# Allegro board buddy_lay_rev1.brd (continued)
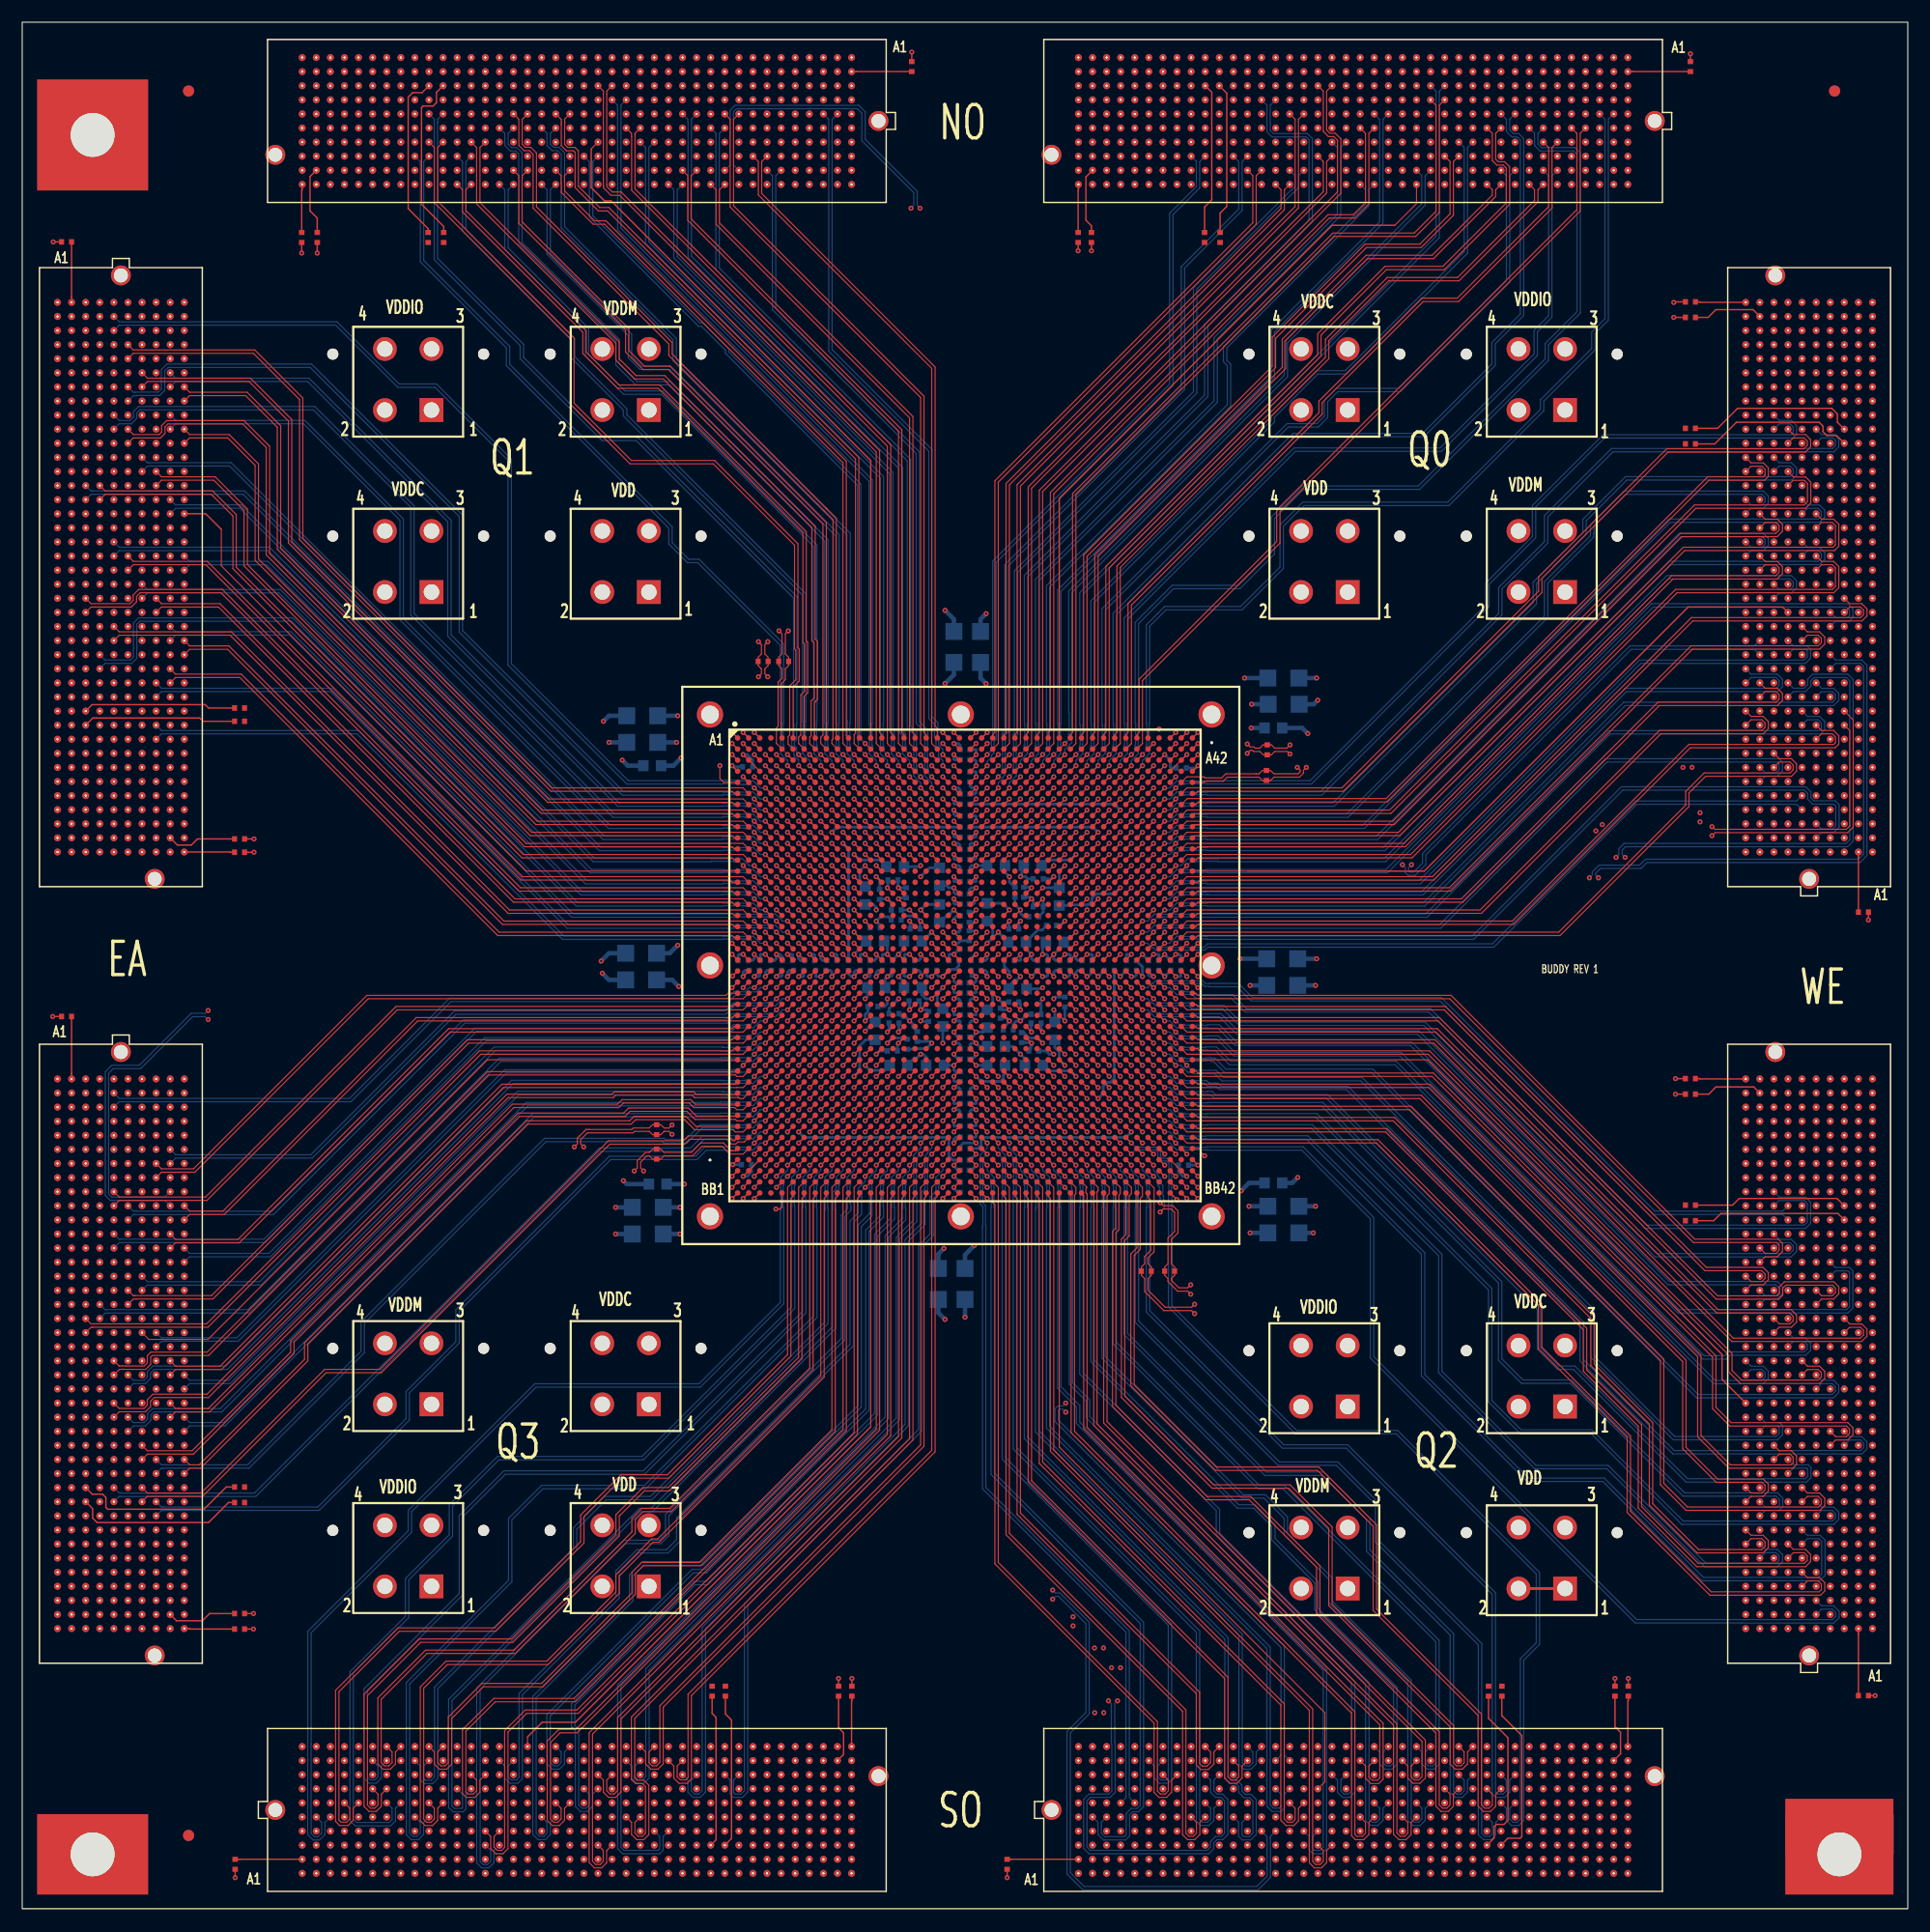
[diagram p0: board, top side]
## Routing (per net, layer and track width the routed paths; a pad name or vN(x,y) marks a point on that pad's centre or on a via; arc(x,y) is an arc through that point) (continued)
EA_N94: length 70.4
  TOP w0.102: U1.AJ2 65,77 41.35,77 16.75,52.4 6.35,52.4 6.21,52.4 5.72,51.91
EA_N95: length 70.6
  TOP w0.127: U1.AJ4 v1(67,77)
  BOTTOM w0.102: J7.D18 7.48,53.67 7.75,53.67 7.76,53.68 20.48,53.68 43.15,76.35 63.13,76.35 63.17,76.38 65.51,76.38 65.52,76.38 65.81,76.38 65.81,76.37 65.91,76.37 66.54,77 v1(67,77)
EA_N96: length 72.2
  TOP w0.127: U1.AJ6 v1(69,77)
  SIGNAL_L12 w0.081: v1(69,77) 68.55,77 68.18,76.63 68.1,76.63 67.81,76.34 67.23,76.34 67.2,76.37 62.7,76.37 62.66,76.34 44.85,76.34 22.18,53.67 10.64,53.67 10.32,53.35 10.32,52.86 9.84,52.37 9.73,52.37 9.72,52.37 9.35,52.37 9.34,52.37 8.72,52.37 J7.E19
EA_N97: length 76.4
  TOP w0.127: U1.AJ11 v1(74,77)
  SIGNAL_L3 w0.081: J7.F20 10,51.11 12.39,51.11 12.89,51.61 12.89,52.1 13.16,52.37 15.37,52.37 39.33,76.33 64.43,76.33 64.47,76.37 72.18,76.37 72.22,76.33 72.8,76.33 73.07,76.6 73.12,76.6 73.15,76.63 73.15,76.63 73.37,76.85 73.37,76.85 73.52,77 v1(74,77)
EA_N98: length 64.4
  TOP w0.102: U1.AK1 41.95,76.5 16.75,51.3 11.42,51.3 J7.G19
EA_N99: length 65.2
  TOP w0.127: U1.AK3 v1(66,76)
  BOTTOM w0.102: J7.H20 12.56,51.13 12.83,51.13 12.85,51.15 13.02,51.15 13.02,51.14 13.67,51.14 13.67,51.15 14.29,51.15 14.29,51.14 19.47,51.14 43.63,75.3 64.73,75.3 64.81,75.38 65.41,75.38 65.59,75.56 65.59,75.59 v1(66,76)
EA_N100: length 65.4
  TOP w0.127: U1.AK5 v1(68,76)
  SIGNAL_L12 w0.081: J7.J19 13.8,52.37 22.19,52.37 45.15,75.33 64.37,75.33 64.41,75.37 66.28,75.37 66.31,75.34 66.81,75.34 67.1,75.63 67.18,75.63 67.55,76 v1(68,76)
EA_N101: length 66.7
  TOP w0.127: U1.AK7 v1(70,76)
  SIGNAL_L3 w0.081: J7.K20 15.08,51.11 16.38,51.11 38.65,73.38 40.6,75.33 61.32,75.33 61.37,75.39 61.49,75.39 61.54,75.34 61.57,75.37 68.18,75.37 68.22,75.33 68.8,75.33 69.07,75.6 69.12,75.6 69.15,75.63 69.15,75.63 69.37,75.85 69.37,75.85 69.52,76 v1(70,76)
EA_N102: length 80.1
  TOP w0.127: U1.AK10 v1(73,76)
  SIGNAL_L10 w0.081: 5.72,46.83 6.19,47.3 15.57,47.3 43.6,75.33 64.57,75.33 64.61,75.37 70.73,75.37 70.88,75.52 71.8,75.52 71.88,75.6 72.12,75.6 72.52,76 v1(73,76)
EA_N103: length 79.8
  TOP w0.127: U1.AK12 v1(75,76)
  SIGNAL_L5 w0.081: J7.D21 7.46,49.84 18.69,49.84 44.19,75.34 64.52,75.34 64.56,75.37 73.26,75.37 73.29,75.41 73.51,75.41 73.54,75.37 74.37,75.37 v1(75,76)
EA_N104: length 69.1
  TOP w0.102: J7.E22 8.76,48.6 8.77,48.6 9,48.61 9.21,48.61 9.21,48.6 11.13,48.6 11.59,49.06 11.59,49.72 11.72,49.85 16.8,49.85 42.08,75.13 64.31,75.13 64.43,75 65,75 U1.AL2
EA_N105: length 70.1
  TOP w0.127: U1.AL4 v1(67,75)
  BOTTOM w0.102: J7.F23 10.02,47.32 11.11,47.32 11.58,47.78 11.58,48.27 11.9,48.6 18.5,48.6 44.25,74.35 63.17,74.35 63.2,74.38 65.44,74.38 65.46,74.37 65.91,74.37 66.54,75 v1(67,75)
EA_N106: length 70.1
  TOP w0.127: U1.AL6 v1(69,75)
  SIGNAL_L12 w0.081: v1(69,75) 68.55,75 68.18,74.63 68.1,74.63 67.81,74.34 67.23,74.34 67.2,74.37 62.7,74.37 62.66,74.34 45.64,74.34 19.87,48.57 11.39,48.57 11.39,48.57 11.27,48.57 J7.G22
EA_N107: length 71.3
  TOP w0.127: U1.AL8 v1(71,75)
  SIGNAL_L3 w0.081: J7.H23 12.54,47.3 15.7,47.3 42.73,74.33 62.58,74.33 62.62,74.37 69.18,74.37 69.22,74.33 69.8,74.33 70.07,74.6 70.12,74.6 70.15,74.63 70.15,74.63 70.37,74.85 70.37,74.85 70.52,75 v1(71,75)
EA_N108: length 63.1
  TOP w0.102: J7.J22 13.83,48.59 17.97,48.59 43.38,74 64.43,74 64.43,74 65,74 U1.AM2
EA_N109: length 64.4
  TOP w0.127: U1.AM4 v1(67,74)
  BOTTOM w0.102: J7.K23 15.1,47.32 18.5,47.32 18.75,47.32 44.78,73.35 63.01,73.35 63.04,73.31 65.26,73.31 65.33,73.38 65.44,73.38 65.46,73.37 65.91,73.37 66.54,74 v1(67,74)
EA_N110: length 79.2
  TOP w0.127: U1.AM6 v1(69,74)
  SIGNAL_L12 w0.081: 5.72,41.75 6.19,42.22 9.87,42.22 10.35,42.7 10.35,45.75 10.62,46.02 18.82,46.02 46.14,73.34 62.66,73.34 62.7,73.37 67.2,73.37 67.23,73.34 67.81,73.34 68.1,73.63 68.18,73.63 68.55,74 v1(69,74)
EA_N111: length 80
  TOP w0.127: U1.AM8 v1(71,74)
  SIGNAL_L3 w0.081: v1(71,74) 70.52,74 70.37,73.85 70.37,73.85 70.15,73.63 70.15,73.63 70.12,73.6 70.07,73.6 69.8,73.33 69.22,73.33 69.18,73.37 62.62,73.37 62.58,73.33 43.53,73.33 23.23,53.03 23.23,51.48 16.5,44.75 10.62,44.75 10.35,44.48 10.35,42.72 9.85,42.22 7.46,42.22 J7.D27
EA_N112: length 69.9
  TOP w0.102: J7.E25 8.75,44.78 11.11,44.78 11.58,45.24 11.58,45.73 11.91,46.06 16.79,46.06 43.83,73.1 53.3,73.1 53.5,73.3 60.41,73.3 60.61,73.1 64.53,73.1 64.53,73.1 64.6,73.1 64.7,73 65,73 U1.AN2
EA_N113: length 70.9
  TOP w0.127: U1.AN4 v1(67,73)
  BOTTOM w0.102: J7.F26 10.02,43.51 11.11,43.51 11.61,44 11.61,44.49 11.88,44.76 17.99,44.76 45.58,72.35 63.06,72.35 63.1,72.38 65.45,72.38 65.46,72.38 65.81,72.38 65.81,72.37 65.91,72.37 66.54,73 v1(67,73)
EA_N114: length 71
  TOP w0.127: U1.AN6 v1(69,73)
  SIGNAL_L12 w0.081: J7.G25 11.27,44.76 19.61,44.76 45,70.15 45,70.4 46.94,72.34 62.66,72.34 62.7,72.37 67.2,72.37 67.23,72.34 67.81,72.34 68.1,72.63 68.18,72.63 68.55,73 v1(69,73)
EA_N115: length 75.2
  TOP w0.127: U1.AN8 v1(71,73)
  SIGNAL_L3 w0.081: J7.H26 12.54,43.49 20.49,43.49 24.08,47.08 24.08,52.35 44.06,72.33 62.58,72.33 62.62,72.37 69.18,72.37 69.22,72.33 69.8,72.33 70.07,72.6 70.12,72.6 70.15,72.63 70.15,72.63 70.37,72.85 70.37,72.85 70.52,73 v1(71,73)
EA_N116: length 64.3
  TOP w0.102: U1.AP2 65,72 64.43,72 64.24,72.2 60.55,72.2 60.15,72.6 54.2,72.6 53.8,72.2 44.33,72.2 16.9,44.77 13.98,44.77 13.97,44.78 13.83,44.78 J7.J25
EA_N117: length 65.1
  TOP w0.127: U1.AP4 v1(67,72)
  BOTTOM w0.102: J7.K26 15.1,43.51 18.3,43.51 46.14,71.35 63.06,71.35 63.1,71.38 65.45,71.38 65.46,71.38 65.81,71.38 65.81,71.37 65.91,71.37 66.54,72 v1(67,72)
EA_N118: length 78.4
  TOP w0.127: U1.AP6 v1(69,72)
  SIGNAL_L3 w0.081: v1(69,72) 68.52,72 68.37,71.85 68.37,71.85 68.15,71.63 68.15,71.63 68.12,71.6 68.07,71.6 67.8,71.33 67.22,71.33 67.18,71.37 60.5,71.37 60.46,71.33 44.18,71.33 25.23,52.38 25.23,46.48 20.99,42.24 12.94,42.24 12.86,42.16 12.86,41.43 12.4,40.97 9,40.97 8.99,40.95 8.73,40.95 J7.E28
EA_N119: length 78.5
  TOP w0.127: U1.AP8 v1(71,72)
  SIGNAL_L12 w0.081: J7.F29 10,39.68 21.58,39.68 30.85,48.95 30.85,53.65 48.54,71.34 64.61,71.34 64.65,71.37 69.2,71.37 69.23,71.34 69.81,71.34 70.1,71.63 70.18,71.63 70.55,72 v1(71,72)
EA_N120: length 68.9
  TOP w0.102: J7.G28 11.29,40.97 15.45,40.97 24.5,50.02 24.5,51.05 44.85,71.4 54.35,71.4 54.8,71.85 59.93,71.85 60.66,71.13 64.31,71.13 64.43,71 65,71 U1.AR2
EA_N121: length 70.5
  TOP w0.127: U1.AR4 v1(67,71)
  BOTTOM w0.102: J7.H29 12.56,39.7 12.7,39.7 20.45,39.7 30.85,50.1 30.85,52.75 47.22,69.12 57.74,69.12 57.86,69 59.94,69 61.29,70.35 64.62,70.35 64.65,70.38 65.4,70.38 65.41,70.37 65.91,70.37 66.54,71 v1(67,71)
EA_N122: length 72.4
  TOP w0.127: U1.AR6 v1(69,71)
  SIGNAL_L3 w0.081: J7.J28 13.81,40.95 21.3,40.95 26.18,45.83 26.18,51.58 43.62,69.02 58.84,69.02 60.15,70.33 60.57,70.33 60.61,70.37 67.18,70.37 67.22,70.33 67.8,70.33 68.07,70.6 68.12,70.6 68.15,70.63 68.15,70.63 68.37,70.85 68.37,70.85 68.52,71 v1(69,71)
EA_N123: length 65.6
  TOP w0.102: J7.K29 15.1,39.7 16.08,39.7 25.75,49.37 25.75,50.86 45.6,70.7 54.9,70.7 55.3,71.1 59.72,71.1 60.62,70.2 64.1,70.2 64.3,70 65,70 U1.AT2
EA_N124: length 73.3
  TOP w0.127: U1.AT4 v1(67,70)
  BOTTOM w0.102: v1(67,70) 66.54,70 65.91,69.37 65.54,69.37 65.47,69.37 65.46,69.38 65.4,69.38 64.43,69.38 64.4,69.35 61.48,69.35 60.38,68.25 52.16,68.25 21.06,37.15 8.9,37.15 8.89,37.16 8.75,37.16 J7.E31
EA_N125: length 77.5
  TOP w0.127: U1.AT6 v1(69,70)
  SIGNAL_L3 w0.081: 9.54,35.4 10,35.87 10.12,35.87 10.13,35.86 19.66,35.86 30.65,46.85 30.65,51.9 45.82,67.07 58.09,67.07 60.35,69.33 60.54,69.33 60.58,69.37 67.18,69.37 67.22,69.33 67.8,69.33 68.07,69.6 68.12,69.6 68.15,69.63 68.15,69.63 68.37,69.85 68.37,69.85 68.52,70 v1(69,70)
EA_N126: length 68.6
  TOP w0.102: U1.AU2 65.1,69.1 64.53,69.1 64.34,68.91 63.94,68.91 63.51,69.34 60.17,69.34 59.73,68.9 52.98,68.9 32.38,48.3 27.4,48.3 16.26,37.16 11.29,37.16 J7.G31
EA_N127: length 72.7
  TOP w0.127: U1.AU4 v1(67,69)
  BOTTOM w0.102: J7.H32 12.56,35.89 12.83,35.89 12.84,35.9 26.78,35.9 34.9,44.02 34.9,46.47 39.4,50.97 39.4,53.85 53.06,67.51 60.84,67.51 61.68,68.35 64.56,68.35 64.59,68.38 65.16,68.38 65.19,68.35 65.78,68.35 65.8,68.37 65.91,68.37 66.54,69 v1(67,69)
EA_P0: length 87.9
  TOP w0.127: U1.F4 v1(67,101)
  BOTTOM w0.102: v1(67,101) 66.54,101 65.91,101.63 65.46,101.63 65.44,101.62 65.33,101.62 65.26,101.69 65.22,101.69 65.16,101.62 64.84,101.62 64.78,101.69 63.42,101.69 63.04,101.69 63.01,101.65 54.64,101.65 44.1,112.19 44.1,130.64 37.34,137.4 33.99,137.4 28.39,143 9.02,143 9.02,143 8.75,143 8.27,143.49
EA_P1: length 80.1
  TOP w0.102: J8.F4 10.02,140.46 20.97,140.46 25.3,136.13 25.3,123.5 47.8,101 65,101 U1.F2
EA_P2: length 80.1
  TOP w0.127: U1.G6 v1(69,100)
  SIGNAL_L3 w0.081: 8.27,138.41 8.73,137.94 8.99,137.94 8.99,137.93 27.72,137.93 38.75,126.9 38.75,122.34 60.43,100.67 60.54,100.67 60.58,100.63 67.18,100.63 67.22,100.67 67.8,100.67 68.07,100.4 68.12,100.4 68.15,100.37 68.15,100.37 68.37,100.15 68.37,100.15 68.52,100 v1(69,100)
EA_P3: length 82.8
  TOP w0.127: U1.G4 v1(67,100)
  BOTTOM w0.102: J8.F7 10.02,136.65 10.16,136.65 10.18,136.67 12.27,136.67 12.55,136.94 12.55,138.7 13.04,139.19 26.09,139.19 39.7,125.58 39.7,115.17 54.23,100.65 63.17,100.65 63.2,100.62 65.44,100.62 65.46,100.63 65.91,100.63 66.54,100 v1(67,100)
EA_P4: length 77.3
  TOP w0.102: U1.G2 65,100 47.5,100 24.3,123.2 24.3,134.2 20.58,137.92 11.29,137.92 10.8,138.41
EA_P5: length 79.4
  TOP w0.127: U1.H6 v1(69,99)
  SIGNAL_L3 w0.081: v1(69,99) 68.52,99 68.37,99.15 68.37,99.15 68.15,99.37 68.15,99.37 68.12,99.4 68.07,99.4 67.8,99.67 67.22,99.67 67.18,99.63 60.62,99.63 60.59,99.67 53.53,99.67 35.24,117.96 35.24,128.14 26.71,136.67 12.54,136.67 J8.H7
EA_P6: length 76.7
  TOP w0.127: U1.H4 v1(67,99)
  BOTTOM w0.102: v1(67,99) 66.54,99 65.91,99.63 65.46,99.63 65.44,99.62 63.2,99.62 63.17,99.65 53.81,99.65 38.67,114.79 38.67,125.11 25.86,137.92 14.04,137.92 14.03,137.92 13.83,137.92 13.35,138.41
EA_P7: length 73.3
  TOP w0.102: J8.K7 15.1,136.65 20.28,136.65 23.3,133.63 23.3,122.63 46.93,99 65,99 U1.H2
EA_P8: length 87.6
  TOP w0.127: U1.J8 v1(71,98)
  SIGNAL_L3 w0.081: 5.72,133.33 6.19,132.86 8.46,132.86 8.75,133.15 8.75,134.92 9.21,135.38 20.92,135.38 30.75,125.55 30.75,122.5 31.65,121.6 33,121.6 34.2,120.4 34.2,119.34 34.25,119.29 34.25,116.85 52.43,98.67 62.62,98.67 62.65,98.63 69.18,98.63 69.22,98.67 69.8,98.67 70.07,98.4 70.12,98.4 70.15,98.37 70.15,98.37 70.37,98.15 70.37,98.15 70.52,98 v1(71,98)
EA_P9: length 90.5
  TOP w0.127: U1.J6 v1(69,98)
  SIGNAL_L12 w0.081: J8.D8 7.46,135.4 7.58,135.4 7.58,135.4 30.27,135.4 32.62,133.05 35.55,133.05 44.85,123.75 44.85,103.22 49.4,98.66 62.58,98.66 62.61,98.63 67.2,98.63 67.23,98.66 67.81,98.66 68.1,98.37 68.18,98.37 68.55,98 v1(69,98)
EA_P10: length 81.6
  TOP w0.127: U1.J4 v1(67,98)
  BOTTOM w0.102: v1(67,98) 66.54,98 65.91,98.63 65.46,98.63 65.44,98.62 63.2,98.62 63.17,98.65 53.4,98.65 35.33,116.71 35.33,126.42 26.38,135.37 10.48,135.37 10.03,134.92 10.03,134.43 9.71,134.11 8.75,134.11 8.27,134.6
EA_P11: length 77.8
  TOP w0.102: U1.J2 65,98 46.43,98 22.3,122.13 22.3,131.79 20,134.1 13.02,134.1 12.57,133.65 12.57,133.07 12.34,132.84 10.02,132.84 J8.F10
EA_P12: length 78.5
  TOP w0.127: U1.K8 v1(71,97)
  SIGNAL_L3 w0.081: v1(71,97) 70.52,97 70.37,97.15 70.37,97.15 70.15,97.37 70.15,97.37 70.12,97.4 70.07,97.4 69.8,97.67 69.22,97.67 69.18,97.63 62.65,97.63 62.62,97.67 51.13,97.67 26.11,122.69 26.11,126.07 18.05,134.13 11.27,134.13 10.8,134.6
EA_P13: length 83.8
  TOP w0.127: U1.K6 v1(69,97)
  SIGNAL_L12 w0.081: J8.H10 12.54,132.86 30.94,132.86 39.52,124.28 39.52,105.31 47.17,97.66 62.66,97.66 62.7,97.63 67.2,97.63 67.23,97.66 67.81,97.66 68.1,97.37 68.18,97.37 68.55,97 v1(69,97)
EA_P14: length 75.2
  TOP w0.127: U1.K4 v1(67,97)
  BOTTOM w0.102: v1(67,97) 66.54,97 65.91,97.63 65.46,97.63 65.44,97.62 63.2,97.62 63.17,97.65 52.98,97.65 34.36,116.27 34.36,125.24 25.49,134.11 13.97,134.11 13.83,134.11 13.35,134.6
EA_P15: length 71.2
  TOP w0.102: J8.K10 15.1,132.84 18.66,132.84 21.3,130.2 21.3,121.63 45.93,97 65,97 U1.K2
EA_P16: length 81.4
  TOP w0.127: U1.L8 v1(71,96)
  SIGNAL_L3 w0.081: J8.E12 8.73,130.32 10.98,130.32 11.29,130.62 11.29,131.11 11.77,131.6 18.49,131.6 24.94,125.15 24.94,121.41 49.68,96.67 62.62,96.67 62.65,96.63 69.18,96.63 69.22,96.67 69.8,96.67 70.07,96.4 70.12,96.4 70.15,96.37 70.15,96.37 70.37,96.15 70.37,96.15 70.52,96 v1(71,96)
EA_P17: length 85.6
  TOP w0.127: U1.L6 v1(69,96)
  SIGNAL_L12 w0.081: J8.F13 10,129.05 12.37,129.05 12.56,129.24 12.56,129.84 13.02,130.3 14.28,130.3 14.29,130.31 14.94,130.31 14.95,130.3 30.54,130.3 34.76,126.08 34.76,117.96 38.72,113.99 38.72,104.84 46.9,96.66 62.62,96.66 62.66,96.63 67.2,96.63 67.23,96.66 67.81,96.66 68.1,96.37 68.18,96.37 68.55,96 v1(69,96)
EA_P18: length 71.3
  TOP w0.127: U1.L4 v1(67,96)
  BOTTOM w0.102: J8.G12 11.29,130.3 11.43,130.3 18.83,130.3 52.49,96.65 63.13,96.65 63.17,96.62 65.44,96.62 65.46,96.63 65.91,96.63 66.54,96 v1(67,96)
EA_P19: length 70.4
  TOP w0.102: J8.H13 12.56,129.03 17.4,129.03 20.3,126.13 20.3,121.13 45.43,96 65,96 U1.L2
EA_P20: length 75.5
  TOP w0.127: U1.M8 v1(71,95)
  SIGNAL_L3 w0.081: J8.J12 13.81,130.32 18.04,130.32 23.45,124.91 23.45,121.02 48.8,95.67 62.62,95.67 62.65,95.63 69.18,95.63 69.22,95.67 69.8,95.67 70.07,95.4 70.12,95.4 70.15,95.37 70.15,95.37 70.37,95.15 70.37,95.15 70.52,95 v1(71,95)
EA_P21: length 77.1
  TOP w0.127: U1.M6 v1(69,95)
  SIGNAL_L12 w0.081: J8.K13 15.08,129.05 26.02,129.05 31.05,124.02 31.05,118.58 32.2,117.43 32.53,117.43 37.93,112.04 37.93,104.32 46.59,95.66 62.66,95.66 62.7,95.63 67.2,95.63 67.23,95.66 67.81,95.66 68.1,95.37 68.18,95.37 68.55,95 v1(69,95)
EA_P22: length 75.8
  TOP w0.127: U1.M4 v1(67,95)
  BOTTOM w0.102: v1(67,95) 66.54,95 65.91,95.63 65.46,95.63 65.44,95.62 63.2,95.62 63.17,95.65 52.15,95.65 20.04,127.76 6.35,127.76 6.21,127.76 5.72,128.25
EA_P23: length 75.3
  TOP w0.102: U1.M2 65,95 45.18,95 19.3,120.88 19.3,125.63 17.17,127.76 7.48,127.76 J8.D14
EA_P24: length 81.1
  TOP w0.127: U1.N12 v1(75,94)
  SIGNAL_L5 w0.081: v1(75,94) 74.52,94 73.87,94.65 73.34,94.65 73.32,94.63 64.71,94.63 64.67,94.66 51.25,94.66 19.4,126.52 8.86,126.52 8.85,126.51 8.73,126.51 J8.E15
EA_P25: length 78.9
  TOP w0.127: U1.N10 v1(73,94)
  SIGNAL_L10 w0.081: J8.F16 9.99,125.25 17.65,125.25 23.53,119.37 23.53,117.14 45,95.66 64.4,95.66 64.43,95.63 71.26,95.63 71.63,95.26 71.63,94.85 72.03,94.45 72.07,94.45 72.52,94 v1(73,94)
EA_P26: length 73.6
  TOP w0.127: U1.N7 v1(70,94)
  SIGNAL_L3 w0.081: J8.G15 11.26,126.52 15.8,126.52 47.65,94.67 61.57,94.67 61.61,94.63 68.18,94.63 68.22,94.67 68.8,94.67 69.07,94.4 69.12,94.4 69.15,94.37 69.15,94.37 69.37,94.15 69.37,94.15 69.52,94 v1(70,94)
EA_P27: length 74.3
  TOP w0.127: U1.N5 v1(68,94)
  SIGNAL_L12 w0.081: J8.H16 12.53,125.25 14.42,125.25 14.42,125.25 14.45,125.22 23.27,125.22 37.14,111.36 37.14,103.66 46.14,94.66 61.61,94.66 61.65,94.63 66.2,94.63 66.23,94.66 66.81,94.66 67.1,94.37 67.18,94.37 67.55,94 v1(68,94)
EA_P28: length 67
  TOP w0.127: U1.N3 v1(66,94)
  BOTTOM w0.102: J8.J15 13.81,126.51 19.74,126.51 51.6,94.65 62.1,94.65 62.13,94.62 64.44,94.62 64.46,94.63 64.91,94.63 65.54,94 v1(66,94)
EA_P29: length 65.2
  TOP w0.102: U1.N1 45.46,93.5 17.95,121.01 17.95,124.3
  TOP w0.127: J8.K16 16.54,125.71 17.95,124.3
EA_P30: length 81.5
  TOP w0.127: U1.P11 v1(74,93)
  SIGNAL_L3 w0.081: 5.72,123.17 6.19,122.7 6.31,122.7 6.32,122.71 17.71,122.71 46.75,93.67 64.42,93.67 64.46,93.63 72.18,93.63 72.22,93.67 72.8,93.67 73.07,93.4 73.12,93.4 73.15,93.37 73.15,93.37 73.37,93.15 73.37,93.15 73.52,93 v1(74,93)
EA_P31: length 80.4
  TOP w0.127: U1.P6 v1(69,93)
  SIGNAL_L12 w0.081: J8.D17 7.46,123.97 23.27,123.97 36.22,111.02 36.22,103.18 45.74,93.66 62.66,93.66 62.7,93.63 67.2,93.63 67.23,93.66 67.81,93.66 68.1,93.37 68.18,93.37 68.55,93 v1(69,93)
EA_P32: length 71.9
  TOP w0.127: U1.P4 v1(67,93)
  BOTTOM w0.102: v1(67,93) 66.54,93 65.91,93.63 65.46,93.63 65.44,93.62 63.2,93.62 63.17,93.65 51.33,93.65 22.29,122.68 8.75,122.68 J8.E18
EA_P33: length 68.1
  TOP w0.102: J8.F19 10.02,121.41 16.69,121.41 45.1,93 65,93 U1.P2
EA_P34: length 77.8
  TOP w0.127: U1.R12 v1(75,92)
  SIGNAL_L5 w0.081: v1(75,92) 74.52,92 73.87,92.65 73.34,92.65 73.32,92.63 64.71,92.63 64.67,92.66 45.19,92.66 15.14,122.71 11.26,122.71 J8.G18
EA_P35: length 74.1
  TOP w0.127: U1.R10 v1(73,92)
  SIGNAL_L3 w0.081: v1(73,92) 72.52,92 72.37,92.15 72.37,92.15 72.15,92.37 72.15,92.37 72.12,92.4 72.07,92.4 71.8,92.67 71.22,92.67 71.18,92.63 64.65,92.63 64.62,92.67 46.11,92.67 17.35,121.43 12.54,121.43 J8.H19
EA_P36: length 73.4
  TOP w0.127: U1.R6 v1(69,92)
  SIGNAL_L12 w0.081: J8.J18 13.81,122.7 22.56,122.7 35.22,110.04 35.22,103 45.56,92.66 62.66,92.66 62.7,92.63 67.2,92.63 67.23,92.66 67.81,92.66 68.1,92.37 68.18,92.37 68.55,92 v1(69,92)
EA_P37: length 65.5
  TOP w0.127: U1.R4 v1(67,92)
  BOTTOM w0.102: J8.K19 15.1,121.41 15.24,121.41 22.15,121.41 50.91,92.65 63.17,92.65 63.2,92.62 65.44,92.62 65.46,92.63 65.91,92.63 66.54,92 v1(67,92)
EA_P38: length 72.1
  TOP w0.102: 5.72,118.09 6.21,117.6 9.71,117.6 10,117.89 10,118.38 10.51,118.89 18.04,118.89 44.93,92 65,92 U1.R2
EA_P39: length 81.8
  TOP w0.127: U1.T12 v1(75,91)
  SIGNAL_L10 w0.081: J8.D20 7.46,120.16 16.31,120.16 17.66,118.81 17.66,117.51 43.5,91.67 64.6,91.67 64.63,91.63 73.15,91.63 73.2,91.68 73.79,91.68 74.1,91.37 74.15,91.37 74.52,91 v1(75,91)
EA_P40: length 78.5
  TOP w0.127: U1.T10 v1(73,91)
  SIGNAL_L3 w0.081: J8.E21 8.72,118.9 9.72,118.9 9.99,119.17 9.99,119.66 10.48,120.14 16.45,120.14 44.93,91.67 64.58,91.67 64.62,91.63 71.18,91.63 71.22,91.67 71.8,91.67 72.07,91.4 72.12,91.4 72.15,91.37 72.15,91.37 72.37,91.15 72.37,91.15 72.52,91 v1(73,91)
EA_P41: length 77.4
  TOP w0.127: U1.T8 v1(71,91)
  SIGNAL_L12 w0.081: v1(71,91) 70.55,91 70.18,91.37 70.1,91.37 69.81,91.66 69.23,91.66 69.2,91.63 64.7,91.63 64.66,91.66 45.1,91.66 34.19,102.57 34.19,109.36 25.93,117.62 10,117.62 J8.F22
EA_P42: length 68.7
  TOP w0.127: U1.T4 v1(67,91)
  BOTTOM w0.102: J8.G21 11.29,118.87 23.27,118.87 50.5,91.65 63.17,91.65 63.2,91.62 65.44,91.62 65.46,91.63 65.91,91.63 66.54,91 v1(67,91)
EA_P43: length 64.9
  TOP w0.102: J8.H22 12.56,117.6 17.83,117.6 44.43,91 65,91 U1.T2
EA_P44: length 74.5
  TOP w0.127: U1.U12 v1(75,90)
  SIGNAL_L5 w0.081: J8.J21 13.81,118.89 15.91,118.89 44.14,90.66 64.67,90.66 64.71,90.63 73.32,90.63 73.34,90.65 73.87,90.65 74.52,90 v1(75,90)
EA_P45: length 70.8
  TOP w0.127: U1.U10 v1(73,90)
  SIGNAL_L3 w0.081: v1(73,90) 72.52,90 72.37,90.15 72.37,90.15 72.15,90.37 72.15,90.37 72.12,90.4 72.07,90.4 71.8,90.67 71.22,90.67 71.18,90.63 64.65,90.63 64.62,90.67 43.22,90.67 16.27,117.62 15.08,117.62 J8.K22
EA_P46: length 82.7
  TOP w0.127: U1.U8 v1(71,90)
  SIGNAL_L12 w0.081: 5.72,113.01 6.18,112.55 9.72,112.55 9.99,112.82 9.99,114.58 10.48,115.06 26.72,115.06 33.09,108.69 33.09,101.78 44.21,90.66 64.66,90.66 64.7,90.63 69.2,90.63 69.23,90.66 69.81,90.66 70.1,90.37 70.18,90.37 70.55,90 v1(71,90)
EA_P47: length 75.2
  TOP w0.127: U1.U4 v1(67,90)
  BOTTOM w0.102: J8.D26 7.48,112.52 9.75,112.52 10.03,112.8 10.03,115.87 10.48,116.32 24.41,116.32 50.08,90.65 63.17,90.65 63.2,90.62 65.44,90.62 65.46,90.63 65.91,90.63 66.54,90 v1(67,90)
EA_P48: length 68
  TOP w0.102: J8.E24 8.75,115.06 18.87,115.06 43.93,90 65,90 U1.U2
EA_P49: length 94.1
  TOP w0.127: U1.V12 v1(75,89)
  SIGNAL_L3 w0.081: J8.F25 9.05,113.79 7.94,113.79 7.48,113.33 7.48,112.68 7.95,112.2 8.45,112.2 8.73,111.92 8.73,92.89 14.29,87.33 63.23,87.33 63.26,87.37 73.37,87.37 73.63,87.63 73.63,87.91 73.63,87.91 73.63,88.15 73.7,88.23 73.7,88.36 73.97,88.63 74.15,88.63 74.52,89 v1(75,89)
EA_P50: length 74
  TOP w0.127: U1.V10 v1(73,89)
  SIGNAL_L3 w0.081: v1(73,89) 72.52,89 72.37,89.15 72.37,89.15 72.15,89.37 72.15,89.37 72.12,89.4 72.07,89.4 71.81,89.66 71.22,89.66 71.19,89.63 70.74,89.63 70.73,89.62 70.27,89.62 70.26,89.63 69.74,89.63 69.73,89.62 69.27,89.62 69.26,89.63 68.74,89.63 68.73,89.62 68.27,89.62 68.26,89.63 67.74,89.63 67.73,89.62 67.27,89.62 67.26,89.63 66.74,89.63 66.73,89.62 66.27,89.62 66.26,89.63 65.74,89.63 65.73,89.62 65.27,89.62 65.26,89.63 64.57,89.63 64.54,89.65 41.84,89.65 16.42,115.08 11.27,115.08 J8.G24
EA_P51: length 74.3
  TOP w0.127: U1.V8 v1(71,89)
  SIGNAL_L12 w0.081: v1(71,89) 70.55,89 70.18,89.37 70.1,89.37 69.81,89.66 69.23,89.66 69.2,89.63 64.7,89.63 64.66,89.66 43.55,89.66 31.88,101.33 31.88,108.38 26.45,113.81 12.54,113.81 J8.H25
EA_P52: length 67.4
  TOP w0.127: U1.V6 v1(69,89)
  BOTTOM w0.102: v1(69,89) 68.54,89 67.91,89.63 67.46,89.63 67.44,89.62 64.51,89.62 64.48,89.65 49.67,89.65 24.24,115.07 13.82,115.07 J8.J24
EA_P53: length 61.6
  TOP w0.102: J8.K25 15.1,113.79 18.64,113.79 43.43,89 65,89 U1.V2
EA_P54: length 95.4
  TOP w0.127: U1.W12 v1(75,88)
  SIGNAL_L3 w0.081: v1(75,88) 74.67,87.67 74.67,87.49 74.63,87.45 74.63,86.74 74.26,86.37 63.56,86.37 63.34,86.59 63.16,86.59 63.12,86.56 61.27,86.56 60.64,85.92 11.36,85.92 6.21,91.08 6.21,110.79 6.69,111.28 7.81,111.28 J8.E27
EA_P55: length 73.6
  TOP w0.127: U1.W10 v1(73,88)
  SIGNAL_L3 w0.081: J8.F28 10,110 19.68,110 41.03,88.65 64.62,88.65 64.65,88.63 65.26,88.63 65.27,88.62 65.73,88.62 65.74,88.63 66.26,88.63 66.27,88.62 66.73,88.62 66.74,88.63 67.26,88.63 67.27,88.62 67.73,88.62 67.74,88.63 68.26,88.63 68.27,88.62 68.73,88.62 68.74,88.63 69.26,88.63 69.27,88.62 69.73,88.62 69.74,88.63 70.26,88.63 70.27,88.62 70.73,88.62 70.74,88.63 71.19,88.63 71.22,88.66 71.81,88.66 72.07,88.4 72.12,88.4 72.15,88.37 72.15,88.37 72.37,88.15 72.37,88.15 72.52,88 v1(73,88)
EA_P56: length 77.6
  TOP w0.127: U1.W8 v1(71,88)
  SIGNAL_L12 w0.081: J8.G27 11.26,111.28 12.26,111.28 12.53,111.55 12.53,112.04 13.04,112.55 26.1,112.55 30.69,107.96 30.69,98.5 40.53,88.66 64.66,88.66 64.7,88.63 69.2,88.63 69.23,88.66 69.81,88.66 70.1,88.37 70.18,88.37 70.55,88 v1(71,88)
EA_P57: length 66.9
  TOP w0.127: U1.W6 v1(69,88)
  BOTTOM w0.102: v1(69,88) 68.54,88 67.91,88.63 67.46,88.63 67.44,88.62 64.51,88.62 64.48,88.65 49.25,88.65 27.92,109.98 12.56,109.98 J8.H28
EA_P58: length 62.2
  TOP w0.102: U1.W2 65,88 43,88 19.75,111.25 13.83,111.25 J8.J27
EA_P59: length 78.1
  TOP w0.127: U1.Y12 v1(75,87)
  SIGNAL_L12 w0.081: J8.K28 15.08,110 23.37,110 28,105.37 28,95.71 37.31,86.4 59.5,86.4 60.05,86.95 63.27,86.95 63.55,86.66 63.67,86.66 63.71,86.63 71.2,86.63 71.37,86.8 71.37,87.26 71.52,87.41 71.74,87.63 73.27,87.63 73.34,87.69 73.78,87.69 74.1,87.37 74.15,87.37 74.52,87 v1(75,87)
EA_P60: length 76
  TOP w0.127: U1.Y10 v1(73,87)
  SIGNAL_L10 w0.081: J8.E30 8.73,107.46 9.71,107.46 10.01,107.76 10.01,108.25 10.49,108.73 24.64,108.73 44.7,88.66 64.42,88.66 64.46,88.63 72.26,88.63 72.63,88.26 72.63,87.73 72.67,87.69 72.67,87.33 v1(73,87)
EA_P61: length 83.3
  TOP w0.127: U1.Y8 v1(71,87)
  SIGNAL_L12 w0.081: J8.F31 10,106.19 13.64,106.19 13.83,106.38 13.83,110.79 14.29,111.25 14.91,111.25 15.06,111.4 25.68,111.4 29.42,107.66 29.42,97.38 39.14,87.66 63.72,87.66 63.76,87.63 69.2,87.63 69.23,87.66 69.81,87.66 70.1,87.37 70.18,87.37 70.55,87 v1(71,87)
EA_P62: length 67.6
  TOP w0.127: U1.Y6 v1(69,87)
  SIGNAL_L10 w0.081: J8.G30 11.27,107.46 11.53,107.46 11.53,107.45 24.2,107.45 43.98,87.67 63.67,87.67 63.71,87.63 67.15,87.63 67.2,87.68 67.79,87.68 68.1,87.37 68.15,87.37 68.52,87 v1(69,87)
EA_P63: length 63.8
  TOP w0.127: U1.Y4 v1(67,87)
  BOTTOM w0.102: J8.H31 12.56,106.17 30.32,106.17 48.84,87.65 63.17,87.65 63.2,87.62 65.44,87.62 65.46,87.63 65.91,87.63 66.54,87 v1(67,87)
EA_P64: length 62.8
  TOP w0.127: U1.AC3 v1(66,83)
  BOTTOM w0.102: 8.27,73.5 8.75,73.02 29.51,73.02 38.53,82.04 63.59,82.04 64.2,82.65 64.74,82.65 64.77,82.62 65.16,82.62 65.54,83 v1(66,83)
EA_P65: length 65.8
  TOP w0.127: U1.AC5 v1(68,83)
  SIGNAL_L10 w0.081: J7.F4 10,70.49 27.39,70.49 38.56,81.66 64.42,81.66 64.46,81.63 68.05,81.63 68.05,81.63 68.15,81.63 68.37,81.85 68.37,81.95 68.37,81.95 68.37,82.37 68.33,82.41 68.33,82.67 v1(68,83)
EA_P66: length 70.6
  TOP w0.127: U1.AC7 v1(70,83)
  SIGNAL_L12 w0.081: v1(70,83) 69.67,82.67 69.23,82.67 69.2,82.63 69.16,82.63 69.15,82.63 64.65,82.63 64.61,82.67 64.27,82.67 64.06,82.46 38.18,82.46 23.67,67.94 14.29,67.94 13.83,67.48 13.83,66.99 13.51,66.67 10.48,66.67 10.32,66.83 10.32,67.48 9.85,67.96 8.73,67.96 8.27,68.42
EA_P67: length 71.9
  TOP w0.127: U1.AC9 v1(72,83)
  SIGNAL_L10 w0.081: v1(72,83) 72.33,82.67 72.33,82.28 72.37,82.25 72.37,80.9 72.37,80.9 72.37,80.85 72.15,80.63 64.71,80.63 64.67,80.67 40.12,80.67 26.13,66.68 10,66.68 J7.F7
EA_P68: length 72.2
  TOP w0.127: U1.AC11 v1(74,83)
  SIGNAL_L12 w0.081: 10.8,68.42 11.27,67.95 12.25,67.95 12.53,68.23 12.53,68.73 13.02,69.21 22.9,69.21 37.51,83.83 60.67,83.83 61.21,83.29 63.18,83.29 63.27,83.37 63.32,83.37 63.58,83.63 71.3,83.63 71.63,83.3 71.63,82.85 71.85,82.63 73.32,82.63 73.34,82.64 73.64,82.64 v1(74,83)
EA_P69: length 59.2
  TOP w0.102: U1.AD1 63.65,82.5 63.45,82.3 31.07,82.3 15.44,66.67 12.56,66.67 J7.H7
EA_P70: length 61.4
  TOP w0.127: U1.AD5 v1(68,82)
  BOTTOM w0.102: v1(68,82) 67.68,81.68 67.22,81.68 67.16,81.62 64.12,81.62 64.05,81.55 63.4,80.9 38.97,80.9 26.01,67.94 13.83,67.94 13.35,68.42
